# KiCad board HYDRA_VMM3_Adapter_V2.kicad_pcb (continued)
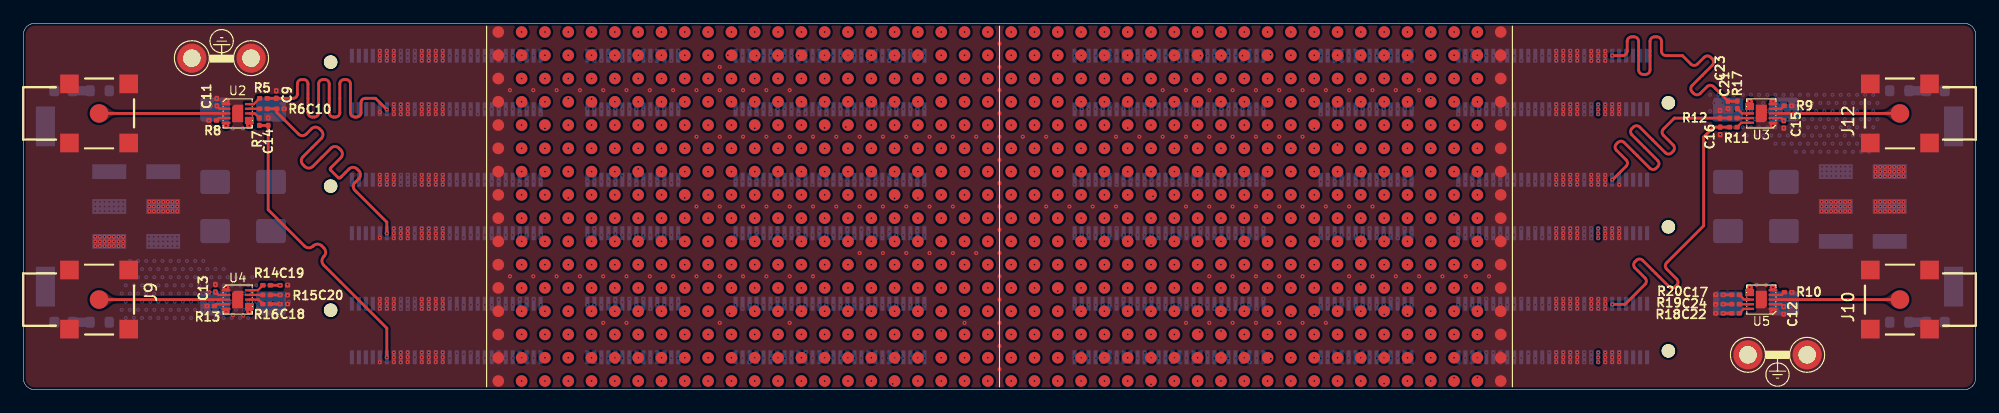
[diagram p0: board, top side]
## Nets (continued)
Col_10-Row_12: J6.B39 U1.156
Col_10-Row_13: J6.B38 U1.157
Col_10-Row_14: J6.A32 U1.158
Col_10-Row_15: J6.A33 U1.159
Col_10-Row_16: J6.A34 U1.160
Col_11-Row_1: J4.B42 U1.161
Col_11-Row_2: J4.B43 U1.162
Col_11-Row_3: J4.B44 U1.163
Col_11-Row_4: J4.A41 U1.164
Col_11-Row_5: J4.A40 U1.165
Col_11-Row_6: J5.B37 U1.166
Col_11-Row_7: J5.B36 U1.167
Col_11-Row_8: J5.B35 U1.168
Col_11-Row_9: J5.A42 U1.169
Col_11-Row_10: J5.A43 U1.170
Col_11-Row_11: J5.A44 U1.171
Col_11-Row_12: J6.B41 U1.172
Col_11-Row_13: J6.B40 U1.173
Col_11-Row_14: J6.A35 U1.174
Col_11-Row_15: J6.A36 U1.175
Col_11-Row_16: J6.A37 U1.176
Col_12-Row_1: J4.B45 U1.177
Col_12-Row_2: J4.B46 U1.178
Col_12-Row_3: J4.B47 U1.179
Col_12-Row_4: J4.A43 U1.180
Col_12-Row_5: J4.A42 U1.181
Col_12-Row_6: J5.B40 U1.182
Col_12-Row_7: J5.B39 U1.183
Col_12-Row_8: J5.B38 U1.184
Col_12-Row_9: J5.A45 U1.185
Col_12-Row_10: J5.A46 U1.186
Col_12-Row_11: J5.A47 U1.187
Col_12-Row_12: J6.B43 U1.188
Col_12-Row_13: J6.B42 U1.189
Col_12-Row_14: J6.A38 U1.190
Col_12-Row_15: J6.A39 U1.191
Col_12-Row_16: J6.A40 U1.192
Col_13-Row_1: J4.B48 U1.193
Col_13-Row_2: J4.B49 U1.194
Col_13-Row_3: J4.B50 U1.195
Col_13-Row_4: J4.A45 U1.196
Col_13-Row_5: J4.A44 U1.197
Col_13-Row_6: J5.B43 U1.198
Col_13-Row_7: J5.B42 U1.199
Col_13-Row_8: J5.B41 U1.200
Col_13-Row_9: J5.A48 U1.201
Col_13-Row_10: J5.A49 U1.202
Col_13-Row_11: J5.A50 U1.203
Col_13-Row_12: J6.B45 U1.204
Col_13-Row_13: J6.B44 U1.205
Col_13-Row_14: J6.A41 U1.206
Col_13-Row_15: J6.A42 U1.207
Col_13-Row_16: J6.A43 U1.208
Col_14-Row_1: J4.B51 U1.209
Col_14-Row_2: J4.B52 U1.210
Col_14-Row_3: J4.B53 U1.211
Col_14-Row_4: J4.A47 U1.212
Col_14-Row_5: J4.A46 U1.213
Col_14-Row_6: J5.B46 U1.214
Col_14-Row_7: J5.B45 U1.215
Col_14-Row_8: J5.B44 U1.216
Col_14-Row_9: J5.A51 U1.217
Col_14-Row_10: J5.A52 U1.218
Col_14-Row_11: J5.A53 U1.219
Col_14-Row_12: J6.B47 U1.220
Col_14-Row_13: J6.B46 U1.221
Col_14-Row_14: J6.A44 U1.222
Col_14-Row_15: J6.A45 U1.223
Col_14-Row_16: J6.A46 U1.224
Col_15-Row_1: J4.B54 U1.225
Col_15-Row_2: J4.B55 U1.226
Col_15-Row_3: J4.B56 U1.227
Col_15-Row_4: J4.A49 U1.228
Col_15-Row_5: J4.A48 U1.229
Col_15-Row_6: J5.B49 U1.230
Col_15-Row_7: J5.B48 U1.231
Col_15-Row_8: J5.B47 U1.232
Col_15-Row_9: J5.A54 U1.233
Col_15-Row_10: J5.A55 U1.234
Col_15-Row_11: J5.A56 U1.235
Col_15-Row_12: J6.B49 U1.236
Col_15-Row_13: J6.B48 U1.237
Col_15-Row_14: J6.A47 U1.238
Col_15-Row_15: J6.A48 U1.239
Col_15-Row_16: J6.A49 U1.240
Col_16-Row_1: J4.B57 U1.241
Col_16-Row_2: J4.B58 U1.242
Col_16-Row_3: J4.B59 U1.243
Col_16-Row_4: J4.A51 U1.244
Col_16-Row_5: J4.A50 U1.245
Col_16-Row_6: J5.B52 U1.246
Col_16-Row_7: J5.B51 U1.247
Col_16-Row_8: J5.B50 U1.248
Col_16-Row_9: J5.A57 U1.249
Col_16-Row_10: J5.A58 U1.250
Col_16-Row_11: J6.B52 U1.251
Col_16-Row_12: J6.B51 U1.252
Col_16-Row_13: J6.B50 U1.253
Col_16-Row_14: J6.A50 U1.254
Col_16-Row_15: J6.A51 U1.255
Col_16-Row_16: J6.A52 U1.256
Col_17-Row_1: J4.B60 U1.257
Col_17-Row_2: J4.B61 U1.258
Col_17-Row_3: J4.B62 U1.259
Col_17-Row_4: J4.A53 U1.260
Col_17-Row_5: J4.A52 U1.261
Col_17-Row_6: J5.B55 U1.262
Col_17-Row_7: J5.B54 U1.263
Col_17-Row_8: J5.B53 U1.264
Col_17-Row_9: J5.A59 U1.265
Col_17-Row_10: J5.A60 U1.266
Col_17-Row_11: J6.B55 U1.267
Col_17-Row_12: J6.B54 U1.268
Col_17-Row_13: J6.B53 U1.269
Col_17-Row_14: J6.A53 U1.270
Col_17-Row_15: J6.A54 U1.271
Col_17-Row_16: J6.A55 U1.272
Col_18-Row_1: J4.B63 U1.273
Col_18-Row_2: J4.B64 U1.274
Col_18-Row_3: J4.B65 U1.275
Col_18-Row_4: J4.A55 U1.276
Col_18-Row_5: J4.A54 U1.277
Col_18-Row_6: J5.B58 U1.278
Col_18-Row_7: J5.B57 U1.279
Col_18-Row_8: J5.B56 U1.280
Col_18-Row_9: J5.A61 U1.281
Col_18-Row_10: J5.A62 U1.282
Col_18-Row_11: J6.B58 U1.283
Col_18-Row_12: J6.B57 U1.284
Col_18-Row_13: J6.B56 U1.285
Col_18-Row_14: J6.A56 U1.286
Col_18-Row_15: J6.A57 U1.287
Col_18-Row_16: J6.A58 U1.288
Col_19-Row_1: J4.B66 U1.291
Col_19-Row_2: J4.B67 U1.290
Col_19-Row_3: J4.B68 U1.289
Col_19-Row_4: J4.A57 U1.292
Col_19-Row_5: J4.A56 U1.293
Col_19-Row_6: J5.B61 U1.294
Col_19-Row_7: J5.B60 U1.295
Col_19-Row_8: J5.B59 U1.296
Col_19-Row_9: J5.A63 U1.297
Col_19-Row_10: J5.A64 U1.298
Col_19-Row_11: J6.B61 U1.299
Col_19-Row_12: J6.B60 U1.300
Col_19-Row_13: J6.B59 U1.301
Col_19-Row_14: J6.A59 U1.302
Col_19-Row_15: J6.A60 U1.303
Col_19-Row_16: J6.A61 U1.304
Col_20-Row_1: J4.B69 U1.305
Col_20-Row_2: J4.B70 U1.306
Col_20-Row_3: J4.A59 U1.307
Col_20-Row_4: J4.A60 U1.308
Col_20-Row_5: J4.A58 U1.309
Col_20-Row_6: J5.B64 U1.310
Col_20-Row_7: J5.B63 U1.311
Col_20-Row_8: J5.B62 U1.312
Col_20-Row_9: J5.A65 U1.313
Col_20-Row_10: J5.A66 U1.314
Col_20-Row_11: J6.B64 U1.315
Col_20-Row_12: J6.B63 U1.316
Col_20-Row_13: J6.B62 U1.317
Col_20-Row_14: J6.A62 U1.318
Col_20-Row_15: J6.A63 U1.319
Col_20-Row_16: J6.A64 U1.320
Col_21-Row_1: J4.A63 U1.321
Col_21-Row_2: J4.A64 U1.322
Col_21-Row_3: J4.A65 U1.323
Col_21-Row_4: J4.A62 U1.324
Col_21-Row_5: J4.A61 U1.325
Col_21-Row_6: J5.B67 U1.326
Col_21-Row_7: J5.B66 U1.327
Col_21-Row_8: J5.B65 U1.328
Col_21-Row_9: J5.A67 U1.329
Col_21-Row_10: J5.A68 U1.330
Col_21-Row_11: J6.B67 U1.331
Col_21-Row_12: J6.B66 U1.332
Col_21-Row_13: J6.B65 U1.333
Col_21-Row_14: J6.A65 U1.334
Col_21-Row_15: J6.A66 U1.335
Col_21-Row_16: J6.A67 U1.336
Col_22-Row_1: J4.A68 U1.337
Col_22-Row_2: J4.A69 U1.338
Col_22-Row_3: J4.A70 U1.339
Col_22-Row_4: J4.A67 U1.340
Col_22-Row_5: J4.A66 U1.341
Col_22-Row_6: J5.B70 U1.342
Col_22-Row_7: J5.B69 U1.343
Col_22-Row_8: J5.B68 U1.344
Col_22-Row_9: J5.A69 U1.345
Col_22-Row_10: J5.A70 U1.346
Col_22-Row_11: J6.B70 U1.347
Col_22-Row_12: J6.B69 U1.348
Col_22-Row_13: J6.B68 U1.349
Col_22-Row_14: J6.A68 U1.350
Col_22-Row_15: J6.A69 U1.351
Col_22-Row_16: J6.A70 U1.352
Col_23-Row_1: J1.B68 U1.353
Col_23-Row_2: J1.B69 U1.354
Col_23-Row_3: J1.B70 U1.355
Col_23-Row_4: J1.B67 U1.356
Col_23-Row_5: J1.B66 U1.357
Col_23-Row_6: J2.A68 U1.358
Col_23-Row_7: J2.A69 U1.359
Col_23-Row_8: J2.A70 U1.360
Col_23-Row_9: J2.B70 U1.361
Col_23-Row_10: J2.B69 U1.362
Col_23-Row_11: J3.A70 U1.363
Col_23-Row_12: J3.A69 U1.364
Col_23-Row_13: J3.A68 U1.365
Col_23-Row_14: J3.B68 U1.366
Col_23-Row_15: J3.B69 U1.367
Col_23-Row_16: J3.B70 U1.368
Col_24-Row_1: J1.B63 U1.369
Col_24-Row_2: J1.B64 U1.370
Col_24-Row_3: J1.B65 U1.371
Col_24-Row_4: J1.B62 U1.372
Col_24-Row_5: J1.B61 U1.373
Col_24-Row_6: J2.A65 U1.374
Col_24-Row_7: J2.A66 U1.375
Col_24-Row_8: J2.A67 U1.376
Col_24-Row_9: J2.B68 U1.377
Col_24-Row_10: J2.B67 U1.378
Col_24-Row_11: J3.A67 U1.379
Col_24-Row_12: J3.A66 U1.380
Col_24-Row_13: J3.A65 U1.381
Col_24-Row_14: J3.B65 U1.382
Col_24-Row_15: J3.B66 U1.383
Col_24-Row_16: J3.B67 U1.384
Col_25-Row_1: J1.A69 U1.385
Col_25-Row_2: J1.A70 U1.386
Col_25-Row_3: J1.B59 U1.387
Col_25-Row_4: J1.B60 U1.388
Col_25-Row_5: J1.B58 U1.389
Col_25-Row_6: J2.A62 U1.390
Col_25-Row_7: J2.A63 U1.391
Col_25-Row_8: J2.A64 U1.392
Col_25-Row_9: J2.B66 U1.393
Col_25-Row_10: J2.B65 U1.394
Col_25-Row_11: J3.A64 U1.395
Col_25-Row_12: J3.A63 U1.396
Col_25-Row_13: J3.A62 U1.397
Col_25-Row_14: J3.B62 U1.398
Col_25-Row_15: J3.B63 U1.399
Col_25-Row_16: J3.B64 U1.400
Col_26-Row_1: J1.A66 U1.401
Col_26-Row_2: J1.A67 U1.402
Col_26-Row_3: J1.A68 U1.403
Col_26-Row_4: J1.B57 U1.404
Col_26-Row_5: J1.B56 U1.405
Col_26-Row_6: J2.A59 U1.406
Col_26-Row_7: J2.A60 U1.407
Col_26-Row_8: J2.A61 U1.408
Col_26-Row_9: J2.B64 U1.409
Col_26-Row_10: J2.B63 U1.410
Col_26-Row_11: J3.A61 U1.411
Col_26-Row_12: J3.A60 U1.412
Col_26-Row_13: J3.A59 U1.413
Col_26-Row_14: J3.B59 U1.414
Col_26-Row_15: J3.B60 U1.415
Col_26-Row_16: J3.B61 U1.416
Col_27-Row_1: J1.A63 U1.417
Col_27-Row_2: J1.A64 U1.418
Col_27-Row_3: J1.A65 U1.419
Col_27-Row_4: J1.B55 U1.420
Col_27-Row_5: J1.B54 U1.421
Col_27-Row_6: J2.A56 U1.422
Col_27-Row_7: J2.A57 U1.423
Col_27-Row_8: J2.A58 U1.424
Col_27-Row_9: J2.B62 U1.425
Col_27-Row_10: J2.B61 U1.426
Col_27-Row_11: J3.A58 U1.427
Col_27-Row_12: J3.A57 U1.428
Col_27-Row_13: J3.A56 U1.429
Col_27-Row_14: J3.B56 U1.430
Col_27-Row_15: J3.B57 U1.431
Col_27-Row_16: J3.B58 U1.432
Col_28-Row_1: J1.A60 U1.433
Col_28-Row_2: J1.A61 U1.434
Col_28-Row_3: J1.A62 U1.435
Col_28-Row_4: J1.B53 U1.436
Col_28-Row_5: J1.B52 U1.437
Col_28-Row_6: J2.A53 U1.438
Col_28-Row_7: J2.A54 U1.439
Col_28-Row_8: J2.A55 U1.440
Col_28-Row_9: J2.B60 U1.441
Col_28-Row_10: J2.B59 U1.442
Col_28-Row_11: J3.A55 U1.443
Col_28-Row_12: J3.A54 U1.444
Col_28-Row_13: J3.A53 U1.445
Col_28-Row_14: J3.B53 U1.446
Col_28-Row_15: J3.B54 U1.447
Col_28-Row_16: J3.B55 U1.448
Col_29-Row_1: J1.A57 U1.449
Col_29-Row_2: J1.A58 U1.450
Col_29-Row_3: J1.A59 U1.451
Col_29-Row_4: J1.B51 U1.452
Col_29-Row_5: J1.B50 U1.453
Col_29-Row_6: J2.A50 U1.454
Col_29-Row_7: J2.A51 U1.455
Col_29-Row_8: J2.A52 U1.456
Col_29-Row_9: J2.B58 U1.457
Col_29-Row_10: J2.B57 U1.458
Col_29-Row_11: J3.A52 U1.459
Col_29-Row_12: J3.A51 U1.460
Col_29-Row_13: J3.A50 U1.461
Col_29-Row_14: J3.B50 U1.462
Col_29-Row_15: J3.B51 U1.463
Col_29-Row_16: J3.B52 U1.464
Col_30-Row_1: J1.A54 U1.465
Col_30-Row_2: J1.A55 U1.466
Col_30-Row_3: J1.A56 U1.467
Col_30-Row_4: J1.B49 U1.468
Col_30-Row_5: J1.B48 U1.469
Col_30-Row_6: J2.A47 U1.470
Col_30-Row_7: J2.A48 U1.471
Col_30-Row_8: J2.A49 U1.472
Col_30-Row_9: J2.B56 U1.473
Col_30-Row_10: J2.B55 U1.474
Col_30-Row_11: J2.B54 U1.475
Col_30-Row_12: J3.A49 U1.476
Col_30-Row_13: J3.A48 U1.477
Col_30-Row_14: J3.B47 U1.478
Col_30-Row_15: J3.B48 U1.479
Col_30-Row_16: J3.B49 U1.480
Col_31-Row_1: J1.A51 U1.481
Col_31-Row_2: J1.A52 U1.482
Col_31-Row_3: J1.A53 U1.483
Col_31-Row_4: J1.B47 U1.484
Col_31-Row_5: J1.B46 U1.485
Col_31-Row_6: J2.A44 U1.486
Col_31-Row_7: J2.A45 U1.487
Col_31-Row_8: J2.A46 U1.488
Col_31-Row_9: J2.B53 U1.489
Col_31-Row_10: J2.B52 U1.490
Col_31-Row_11: J2.B51 U1.491
Col_31-Row_12: J3.A47 U1.492
Col_31-Row_13: J3.A46 U1.493
Col_31-Row_14: J3.B44 U1.494
Col_31-Row_15: J3.B45 U1.495
Col_31-Row_16: J3.B46 U1.496
Col_32-Row_1: J1.A48 U1.497
Col_32-Row_2: J1.A49 U1.498
Col_32-Row_3: J1.A50 U1.499
Col_32-Row_4: J1.B45 U1.500
Col_32-Row_5: J1.B44 U1.501
Col_32-Row_6: J2.A41 U1.502
Col_32-Row_7: J2.A42 U1.503
Col_32-Row_8: J2.A43 U1.504
Col_32-Row_9: J2.B50 U1.505
Col_32-Row_10: J2.B49 U1.506
Col_32-Row_11: J2.B48 U1.507
Col_32-Row_12: J3.A45 U1.508
Col_32-Row_13: J3.A44 U1.509
Col_32-Row_14: J3.B41 U1.510
Col_32-Row_15: J3.B42 U1.511
Col_32-Row_16: J3.B43 U1.512
Col_33-Row_1: J1.A45 U1.513
Col_33-Row_2: J1.A46 U1.514
Col_33-Row_3: J1.A47 U1.515
Col_33-Row_4: J1.B43 U1.516
Col_33-Row_5: J1.B42 U1.517
Col_33-Row_6: J2.A38 U1.518
Col_33-Row_7: J2.A39 U1.519
Col_33-Row_8: J2.A40 U1.520
Col_33-Row_9: J2.B47 U1.521
Col_33-Row_10: J2.B46 U1.522
Col_33-Row_11: J2.B45 U1.523
Col_33-Row_12: J3.A43 U1.524
Col_33-Row_13: J3.A42 U1.525
Col_33-Row_14: J3.B38 U1.526
Col_33-Row_15: J3.B39 U1.527
Col_33-Row_16: J3.B40 U1.528
Col_34-Row_1: J1.A42 U1.529
Col_34-Row_2: J1.A43 U1.530
Col_34-Row_3: J1.A44 U1.531
Col_34-Row_4: J1.B41 U1.532
Col_34-Row_5: J1.B40 U1.533
Col_34-Row_6: J2.A35 U1.534
Col_34-Row_7: J2.A36 U1.535
Col_34-Row_8: J2.A37 U1.536
Col_34-Row_9: J2.B44 U1.537
Col_34-Row_10: J2.B43 U1.538
Col_34-Row_11: J2.B42 U1.539
Col_34-Row_12: J3.A41 U1.540
Col_34-Row_13: J3.A40 U1.541
Col_34-Row_14: J3.B35 U1.542
Col_34-Row_15: J3.B36 U1.543
Col_34-Row_16: J3.B37 U1.544
Col_35-Row_1: J1.A39 U1.545
Col_35-Row_2: J1.A40 U1.546
Col_35-Row_3: J1.A41 U1.547
Col_35-Row_4: J1.B39 U1.548
Col_35-Row_5: J1.B38 U1.549
Col_35-Row_6: J2.A32 U1.550
Col_35-Row_7: J2.A33 U1.551
Col_35-Row_8: J2.A34 U1.552
Col_35-Row_9: J2.B41 U1.553
Col_35-Row_10: J2.B40 U1.554
Col_35-Row_11: J2.B39 U1.555
Col_35-Row_12: J3.A39 U1.556
Col_35-Row_13: J3.A38 U1.557
Col_35-Row_14: J3.B32 U1.558
Col_35-Row_15: J3.B33 U1.559
Col_35-Row_16: J3.B34 U1.560
Col_36-Row_1: J1.A36 U1.561
Col_36-Row_2: J1.A37 U1.562
Col_36-Row_3: J1.A38 U1.563
Col_36-Row_4: J1.B37 U1.564
Col_36-Row_5: J1.B36 U1.565
Col_36-Row_6: J2.A29 U1.566
Col_36-Row_7: J2.A30 U1.567
Col_36-Row_8: J2.A31 U1.568
Col_36-Row_9: J2.B38 U1.569
Col_36-Row_10: J2.B37 U1.570
Col_36-Row_11: J2.B36 U1.571
Col_36-Row_12: J3.A37 U1.572
Col_36-Row_13: J3.A36 U1.573
Col_36-Row_14: J3.B29 U1.574
Col_36-Row_15: J3.B30 U1.575
Col_36-Row_16: J3.B31 U1.576
Col_37-Row_1: J1.A33 U1.577
Col_37-Row_2: J1.A34 U1.578
Col_37-Row_3: J1.A35 U1.579
Col_37-Row_4: J1.B33 U1.580
Col_37-Row_5: J1.B34 U1.581
Col_37-Row_6: J1.B35 U1.582
Col_37-Row_7: J2.A27 U1.583
Col_37-Row_8: J2.A28 U1.584
Col_37-Row_9: J2.B35 U1.585
Col_37-Row_10: J2.B34 U1.586
Col_37-Row_11: J2.B33 U1.587
Col_37-Row_12: J3.A35 U1.588
Col_37-Row_13: J3.A34 U1.589
Col_37-Row_14: J3.B26 U1.590
Col_37-Row_15: J3.B27 U1.591
Col_37-Row_16: J3.B28 U1.592
Col_38-Row_1: J1.A29 U1.593
Col_38-Row_2: J1.A31 U1.594
Col_38-Row_3: J1.A32 U1.595
Col_38-Row_4: J1.B30 U1.596
Col_38-Row_5: J1.B31 U1.597
Col_38-Row_6: J1.B32 U1.598
Col_38-Row_7: J2.A25 U1.599
Col_38-Row_8: J2.A26 U1.600
Col_38-Row_9: J2.B32 U1.601
Col_38-Row_10: J2.B31 U1.602
Col_38-Row_11: J2.B30 U1.603
Col_38-Row_12: J3.A33 U1.604
Col_38-Row_13: J3.A32 U1.605
Col_38-Row_14: J3.B23 U1.606
Col_38-Row_15: J3.B24 U1.607
Col_38-Row_16: J3.B25 U1.608
Col_39-Row_1: J1.A27 U1.609
Col_39-Row_2: J1.A28 U1.610
Col_39-Row_3: J1.A30 U1.611
Col_39-Row_4: J1.B27 U1.612
Col_39-Row_5: J1.B28 U1.613
Col_39-Row_6: J1.B29 U1.614
Col_39-Row_7: J2.A23 U1.615
Col_39-Row_8: J2.A24 U1.616
Col_39-Row_9: J2.B29 U1.617
Col_39-Row_10: J2.B28 U1.618
Col_39-Row_11: J2.B27 U1.619
Col_39-Row_12: J3.A31 U1.620
Col_39-Row_13: J3.A30 U1.621
Col_39-Row_14: J3.B20 U1.622
Col_39-Row_15: J3.B21 U1.623
Col_39-Row_16: J3.B22 U1.624
Col_40-Row_1: J1.A24 U1.625
Col_40-Row_2: J1.A25 U1.626
Col_40-Row_3: J1.A26 U1.627
Col_40-Row_4: J1.B24 U1.628
Col_40-Row_5: J1.B25 U1.629
Col_40-Row_6: J1.B26 U1.630
Col_40-Row_7: J2.A21 U1.631
Col_40-Row_8: J2.A22 U1.632
Col_40-Row_9: J2.B26 U1.633
Col_40-Row_10: J2.B25 U1.634
Col_40-Row_11: J2.B24 U1.635
Col_40-Row_12: J3.A29 U1.636
Col_40-Row_13: J3.A28 U1.637
Col_40-Row_14: J3.B17 U1.638
Col_40-Row_15: J3.B18 U1.639
Col_40-Row_16: J3.B19 U1.640
Col_41-Row_1: J1.A21 U1.641
Col_41-Row_2: J1.A22 U1.642
Col_41-Row_3: J1.A23 U1.643
Col_41-Row_4: J1.B21 U1.644
Col_41-Row_5: J1.B22 U1.645
Col_41-Row_6: J1.B23 U1.646
Col_41-Row_7: J2.A19 U1.647
Col_41-Row_8: J2.A20 U1.648
Col_41-Row_9: J2.B23 U1.649
Col_41-Row_10: J2.B22 U1.650
Col_41-Row_11: J2.B21 U1.651
Col_41-Row_12: J3.A27 U1.652
Col_41-Row_13: J3.A26 U1.653
Col_41-Row_14: J3.A21 U1.654
Col_41-Row_15: J3.B15 U1.655
Col_41-Row_16: J3.B16 U1.656
Col_42-Row_1: J1.A18 U1.657
Col_42-Row_2: J1.A19 U1.658
Col_42-Row_3: J1.A20 U1.659
Col_42-Row_4: J1.B18 U1.660
Col_42-Row_5: J1.B19 U1.661
Col_42-Row_6: J1.B20 U1.662
Col_42-Row_7: J2.A17 U1.663
Col_42-Row_8: J2.A18 U1.664
Col_42-Row_9: J2.B20 U1.665
Col_42-Row_10: J2.B19 U1.666
Col_42-Row_11: J2.B18 U1.667
Col_42-Row_12: J3.A25 U1.668
Col_42-Row_13: J3.A24 U1.669
Col_42-Row_14: J3.A18 U1.670
Col_42-Row_15: J3.A19 U1.671
Col_42-Row_16: J3.A20 U1.672
Col_43-Row_1: J1.A15 U1.673
Col_43-Row_2: J1.A16 U1.674
Col_43-Row_3: J1.A17 U1.675
Col_43-Row_4: J1.B15 U1.676
Col_43-Row_5: J1.B16 U1.677
Col_43-Row_6: J1.B17 U1.678
Col_43-Row_7: J2.A15 U1.679
Col_43-Row_8: J2.A16 U1.680
Col_43-Row_9: J2.B17 U1.681
Col_43-Row_10: J2.B16 U1.682
Col_43-Row_11: J2.B15 U1.683
Col_43-Row_12: J3.A23 U1.684
Col_43-Row_13: J3.A22 U1.685
Col_43-Row_14: J3.A15 U1.686
Col_43-Row_15: J3.A16 U1.687
Col_43-Row_16: J3.A17 U1.688
Heimtime_A: C18.2 C19.2 C20.2 J4.A10 J5.A10 J6.A10 R14.2 R15.2 R16.2
Heimtime_A_In: J9.1 U4.3
Heimtime_B: C17.2 C22.2 C24.2 J1.A10 J2.A10 J3.A10 R18.2 R19.2 R20.2
Heimtime_B_In: J10.1 U5.3
Master_Trigg_A: C9.2 C10.2 C14.2 J4.A6 J5.A6 J6.A6 R5.2 R6.2 R7.2
Master_Trigg_A_In: J8.1 U2.3
Master_Trigg_B: C16.2 C21.2 C23.2 J1.A6 J2.A6 J3.A6 R11.2 R12.2 R17.2
Master_Trigg_B_In: J12.1 U3.3
P1A: C2.1 C5.1 C11.1 C13.1 Input_A1.6 J4.B8 J4.B9 J4.B10 J5.B8 J5.B9 J5.B10 J6.B8 J6.B9 J6.B10 R1.1 U2.2 U2.5 U2.6 U2.7 U4.2 U4.5 U4.6 U4.7
P1B: C3.1 C7.1 C12.1 C15.1 Input_B1.6 J1.B8 J1.B9 J1.B10 J2.B8 J2.B9 J2.B10 J3.B8 J3.B9 J3.B10 R3.1 U3.2 U3.5 U3.6 U3.7 U5.2 U5.5 U5.6 U5.7
P2A: C1.1 C8.1 Input_A1.1 Input_A1.4 J4.A1 J4.A2 J4.A3 J4.A4 J4.B1 J4.B2 J4.B3 J4.B4 J5.A1 J5.A2 J5.A3 J5.A4 J5.B1 J5.B2 J5.B3 J5.B4 J6.A1 J6.A2 J6.A3 J6.A4 J6.B1 J6.B2 J6.B3 J6.B4 R2.1
P2B: C4.1 C6.1 Input_B1.1 Input_B1.4 J1.A1 J1.A2 J1.A3 J1.A4 J1.B1 J1.B2 J1.B3 J1.B4 J2.A1 J2.A2 J2.A3 J2.A4 J2.B1 J2.B2 J2.B3 J2.B4 J3.A1 J3.A2 J3.A3 J3.A4 J3.B1 J3.B2 J3.B3 J3.B4 R4.1
Net-(D1-A): D1.2 R1.2
Net-(D2-A): D2.2 R2.2
Net-(D3-A): D3.2 R3.2
Net-(D4-A): D4.2 R4.2
Net-(U2-E_OSC): R8.2 U2.4
Net-(U2-Out_1): R7.1 U2.8
Net-(U2-Out_2): R6.1 U2.9
Net-(U2-Out_3): R5.1 U2.10
Net-(U3-E_OSC): R9.2 U3.4
Net-(U3-Out_1): R17.1 U3.8
Net-(U3-Out_2): R12.1 U3.9
Net-(U3-Out_3): R11.1 U3.10
Net-(U4-E_OSC): R13.2 U4.4
Net-(U4-Out_1): R16.1 U4.8
Net-(U4-Out_2): R15.1 U4.9
Net-(U4-Out_3): R14.1 U4.10
Net-(U5-E_OSC): R10.2 U5.4
Net-(U5-Out_1): R20.1 U5.8
Net-(U5-Out_2): R19.1 U5.9
Net-(U5-Out_3): R18.1 U5.10

## Via types
v1: diameter 0.35, hole 0.15, Top to In1.Cu, 238 vias
v2: diameter 0.35, hole 0.15, In1.Cu to In5.Cu, 68 vias
v3: diameter 0.35, hole 0.15, In5.Cu to Bottom, 745 vias
v4: diameter 0.35, hole 0.15, Top to In3.Cu, 135 vias
v5: diameter 0.35, hole 0.15, In3.Cu to Bottom, 129 vias
v6: diameter 0.35, hole 0.15, In1.Cu to Bottom, 187 vias
v7: diameter 0.35, hole 0.15, Top to In5.Cu, 311 vias
v8: diameter 0.35, hole 0.15, Top to Bottom, 516 vias
v9: diameter 0.35, hole 0.15, In3.Cu to In5.Cu, 12 vias
v10: diameter 0.35, hole 0.15, In1.Cu to In3.Cu, 10 vias
v11: diameter 0.35, hole 0.15, Top to In6.Cu, 18 vias
v12: diameter 0.35, hole 0.15, Top to In4.Cu, 15 vias
v13: diameter 0.35, hole 0.15, In2.Cu to In4.Cu, 47 vias
v14: diameter 0.35, hole 0.15, In1.Cu to In6.Cu, 1 via

## Routing (per net, layer and track width the routed paths; a pad name or vN(x,y) marks a point on that pad's centre or on a via; arc(x,y) is an arc through that point)
GND:
  vias: v6(6.17,16.15) v6(6.17,15.75) v6(6.17,15.35) v6(6.57,16.15) v6(6.57,15.75) v6(6.57,15.35) v6(6.97,16.15) v6(6.97,15.75) v6(6.97,15.35) v6(7.37,16.15) v6(7.37,15.75) v6(7.37,15.35) v6(7.77,16.15) v6(7.77,15.75) v6(7.77,15.35) v6(8.17,16.15) v6(8.17,15.75) v6(8.17,15.35) v6(8.57,16.15) v6(8.57,15.75) v6(8.57,15.35) v8(6.17,13.15) v8(6.17,12.75) v8(6.17,12.35) v8(6.57,13.15) v8(6.57,12.75) v8(6.57,12.35) v8(6.97,13.15) v8(6.97,12.75) v8(6.97,12.35) v8(7.37,13.15) v8(7.37,12.75) v8(7.37,12.35) v8(7.77,13.15) v8(7.77,12.75) v8(7.77,12.35) v8(8.17,13.15) v8(8.17,12.75) v8(8.17,12.35) v8(8.57,13.15) v8(8.57,12.75) v8(8.57,12.35) v8(10.8,16.15) v8(10.8,15.75) v8(10.8,15.35) v8(11.2,16.15) v8(11.2,15.75) v8(11.2,15.35) v8(11.6,16.15) v8(11.6,15.75) v8(11.6,15.35) v8(12,16.15) v8(12,15.75) v8(12,15.35) v8(12.4,16.15) v8(12.4,15.75) v8(12.4,15.35) v8(12.8,16.15) v8(12.8,15.75) v8(12.8,15.35) v8(13.2,16.15) v8(13.2,15.75) v8(13.2,15.35) v8(30.59,29.13) v8(30.59,28.71) v8(30.59,28.3) v8(30.59,23.87) v8(30.59,18.47) v8(30.59,18.05) v8(30.59,17.64) v8(30.59,13.08) v8(30.59,7.8) v8(30.59,7.38) v8(30.59,6.97) v8(30.59,2.37) v8(31.19,29.13) v8(31.19,28.71) v8(31.19,28.3) v8(31.19,18.47) v8(31.19,18.05) v8(31.19,17.64) v8(31.19,7.8) v8(31.19,7.38) v8(31.19,6.97) v8(31.78,29.13) v8(31.78,28.71) v8(31.78,28.3) v8(31.78,24.53) v8(31.78,24.11) v8(31.78,23.7) v8(31.78,18.47) v8(31.78,18.05) v8(31.78,17.64) v8(31.78,13.86) v8(31.78,13.46) v8(31.78,13.03) v8(31.78,7.8) v8(31.78,7.38) v8(31.78,6.97) v8(31.78,3.19) v8(31.78,2.79) v8(31.78,2.38) v8(32.38,24.52) v8(32.38,24.12) v8(32.38,23.69) v8(32.38,13.86) v8(32.38,13.46) v8(32.38,13.03) v8(32.38,3.19) v8(32.38,2.79) v8(32.38,2.36) v8(32.98,13.85) v8(32.98,13.45) v8(32.98,13.02) v8(32.98,3.21) v8(32.98,2.81) v8(32.98,2.38) v8(32.99,24.53) v8(32.99,24.13) v8(32.99,23.7) v8(34.19,29.12) v8(34.19,28.7) v8(34.19,28.29) v8(34.19,24.53) v8(34.19,24.11) v8(34.19,23.7) v8(34.19,18.46) v8(34.19,18.04) v8(34.19,17.63) v8(34.19,13.86) v8(34.19,13.44) v8(34.19,13.03) v8(34.19,7.79) v8(34.19,7.37) v8(34.19,6.96) v8(34.19,3.21) v8(34.19,2.79) v8(34.19,2.38) v8(34.78,29.12) v8(34.78,28.7) v8(34.78,28.29) v8(34.78,24.53) v8(34.78,24.11) v8(34.78,23.7) v8(34.78,18.46) v8(34.78,18.04) v8(34.78,17.63) v8(34.78,13.86) v8(34.78,13.44) v8(34.78,13.03) v8(34.78,7.79) v8(34.78,7.37) v8(34.78,6.96) v8(34.78,3.21) v8(34.78,2.79) v8(34.78,2.38) v8(35.39,29.13) v8(35.39,28.71) v8(35.39,28.3) v8(35.39,24.53) v8(35.39,24.11) v8(35.39,23.7) v8(35.39,18.47) v8(35.39,18.05) v8(35.39,17.64) v8(35.39,13.86) v8(35.39,13.44) v8(35.39,13.03) v8(35.39,7.8) v8(35.39,7.38) v8(35.39,6.97) v8(35.39,3.21) v8(35.39,2.79) v8(35.39,2.38) v8(35.98,29.13) v8(35.98,28.71) v8(35.98,28.3) v8(35.98,24.53) v8(35.98,24.11) v8(35.98,23.7) v8(35.98,18.47) v8(35.98,18.05) v8(35.98,17.64) v8(35.98,13.86) v8(35.98,13.44) v8(35.98,13.03) v8(35.98,7.8) v8(35.98,7.38) v8(35.98,6.97) v8(35.98,3.21) v8(35.98,2.79) v8(35.98,2.38) v8(41.75,25.75) v8(41.75,9.75) v8(43.75,25.75) v8(43.75,9.75) v8(45.75,25.75) v8(45.75,9.75) v8(47.75,25.75) v8(47.75,9.75) v8(49.75,25.75) v8(49.75,9.75) v8(49.75,5.75) v8(51.75,25.75) v8(51.75,9.75) v8(51.75,5.75) v8(53.75,25.75) v8(53.75,9.75) v8(55.75,25.75) v8(55.75,9.75) v8(57.75,25.75) v8(57.75,21.75) v8(57.75,15.75) v8(57.75,9.75) v8(59.75,27.75) v8(59.75,25.75) v8(59.75,21.75) v8(59.75,15.75) v8(59.75,9.75) v8(59.75,5.75) v8(61.75,25.75) v8(61.75,21.75) v8(61.75,15.75) v8(61.75,9.75) v8(63.75,25.75) v8(63.75,21.75) v8(63.75,15.75) v8(63.75,9.75) v8(65.75,25.75) v8(65.75,21.75) v8(65.75,15.75) v8(65.75,9.75) v8(65.75,5.75) v8(67.75,21.75) v8(67.75,15.75) v8(67.75,9.75) v8(69.75,21.75) v8(69.75,15.75) v8(71.75,21.75) v8(71.75,15.75) v8(71.75,11.75) v8(73.75,21.75) v8(73.75,15.75) v8(73.75,11.75) v8(75.75,21.75) v8(75.75,15.75) v8(75.75,11.75) v8(77.75,21.75) v8(77.75,15.75) v8(77.75,11.75) v8(79.75,21.75) v8(79.75,15.75) v8(79.75,11.75) v8(80.75,5.75) v8(81.75,21.75) v8(81.75,11.75) v8(83.75,29.75) v8(83.75,27.75) v8(83.75,25.75) v8(83.75,23.75) v8(83.75,21.75) v8(83.75,19.75) v8(83.75,17.75) v8(83.75,15.75) v8(83.75,13.75) v8(83.75,11.75) v8(83.75,9.75) v8(83.75,7.75) v8(83.75,5.75) v8(83.75,3.75) v8(83.75,1.75) v8(85.75,21.75) v8(87.75,21.75) v8(87.75,15.75) v8(89.75,15.75) v8(91.75,15.75) v8(93.75,21.75) v8(93.75,15.75) v8(95.75,21.75) v8(97.75,25.75) v8(97.75,21.75) v8(99.75,25.75) v8(99.75,21.75) v8(99.75,15.75) v8(99.75,5.75) v8(101.75,25.75) v8(101.75,21.75) v8(101.75,15.75) v8(101.75,9.75) v8(101.75,5.75) v8(103.75,25.75) v8(103.75,21.75) v8(103.75,15.75) v8(103.75,9.75) v8(103.75,5.75) v8(105.75,25.75) v8(105.75,21.75) v8(105.75,15.75) v8(105.75,9.75) v8(105.75,5.75) v8(107.75,25.75) v8(107.75,21.75) v8(107.75,15.75) v8(107.75,9.75) v8(107.75,5.75) v8(109.75,25.75) v8(109.75,21.75) v8(109.75,15.75) v8(109.75,9.75) v8(109.75,5.75) v8(111.75,25.75) v8(111.75,15.75) v8(111.75,5.75) v8(113.75,25.75) v8(113.75,15.75) v8(113.75,9.75) v8(115.75,25.75) v8(115.75,15.75) v8(115.75,9.75) v8(117.75,25.75) v8(117.75,9.75) v8(119.75,25.75) v8(119.75,9.75) v8(121.75,9.75) v8(123.75,9.75) v8(125.75,9.75) v8(131.52,29.13) v8(131.52,28.71) v8(131.52,28.3) v8(131.52,24.53) v8(131.52,24.11) v8(131.52,23.7) v8(131.52,18.47) v8(131.52,18.05) v8(131.52,17.64) v8(131.52,13.87) v8(131.52,13.45) v8(131.52,13.04) v8(131.52,7.81) v8(131.52,7.39) v8(131.52,6.98) v8(131.52,3.21) v8(131.52,2.79) v8(131.52,2.38) v8(132.12,29.13) v8(132.12,28.71) v8(132.12,28.3) v8(132.12,24.53) v8(132.12,24.11) v8(132.12,23.7) v8(132.12,18.47) v8(132.12,18.05) v8(132.12,17.64) v8(132.12,13.87) v8(132.12,13.45) v8(132.12,13.04) v8(132.12,7.81) v8(132.12,7.39) v8(132.12,6.98) v8(132.12,3.21) v8(132.12,2.79) v8(132.12,2.38) v8(132.72,29.13) v8(132.72,28.71) v8(132.72,28.3) v8(132.72,24.53) v8(132.72,24.11) v8(132.72,23.7) v8(132.72,18.47) v8(132.72,18.05) v8(132.72,17.64) v8(132.72,13.87) v8(132.72,13.45) v8(132.72,13.04) v8(132.72,7.81) v8(132.72,7.39) v8(132.72,6.98) v8(132.72,3.21) v8(132.72,2.79) v8(132.72,2.38) v8(133.31,29.13) v8(133.31,28.71) v8(133.31,28.3) v8(133.31,24.53) v8(133.31,24.11) v8(133.31,23.7) v8(133.31,18.47) v8(133.31,18.05) v8(133.31,17.64) v8(133.31,13.87) v8(133.31,13.45) v8(133.31,13.04) v8(133.31,7.81) v8(133.31,7.39) v8(133.31,6.98) v8(133.31,3.21) v8(133.31,2.79) v8(133.31,2.38) v8(134.52,29.11) v8(134.52,28.69) v8(134.52,28.28) v8(134.52,18.47) v8(134.52,18.05) v8(134.52,17.64) v8(134.52,7.8) v8(134.52,7.38) v8(134.52,6.97) v8(135.12,29.11) v8(135.12,28.69) v8(135.12,28.28) v8(135.11,18.46) v8(135.11,18.04) v8(135.11,17.63) v8(135.12,7.8) v8(135.12,7.38) v8(135.12,6.97) v8(135.72,29.11) v8(135.72,28.69) v8(135.72,28.28) v8(135.72,24.52) v8(135.72,24.1) v8(135.72,23.69) v8(135.72,18.46) v8(135.72,18.04) v8(135.72,17.63) v8(135.72,13.86) v8(135.72,13.44) v8(135.72,13.03) v8(135.72,7.8) v8(135.72,7.38) v8(135.72,6.97) v8(135.72,3.2) v8(135.72,2.78) v8(135.72,2.37) v8(136.31,24.53) v8(136.31,24.11) v8(136.31,23.7) v8(136.31,13.87) v8(136.31,13.45) v8(136.31,13.04) v8(136.31,3.21) v8(136.31,2.79) v8(136.31,2.38) v8(136.91,24.53) v8(136.91,24.11) v8(136.91,23.7) v8(136.92,17.62) v8(136.91,13.87) v8(136.91,13.45) v8(136.91,13.04) v8(136.91,3.21) v8(136.91,2.79) v8(136.91,2.38) v8(154.29,16.15) v8(154.29,15.75) v8(154.29,15.35) v8(154.69,16.15) v8(154.69,15.75) v8(154.69,15.35) v8(155.09,16.15) v8(155.09,15.75) v8(155.09,15.35) v8(155.49,16.15) v8(155.49,15.75) v8(155.49,15.35) v8(155.89,16.15) v8(155.89,15.75) v8(155.89,15.35) v8(156.29,16.15) v8(156.29,15.75) v8(156.29,15.35) v8(156.69,16.15) v8(156.69,15.75) v8(156.69,15.35) v8(158.91,19.15) v8(158.91,18.75) v8(158.91,18.35) v8(158.91,16.15) v8(158.91,15.75) v8(158.91,15.35) v8(159.31,19.15) v8(159.31,18.75) v8(159.31,18.35) v8(159.31,16.15) v8(159.31,15.75) v8(159.31,15.35) v8(159.71,19.15) v8(159.71,18.75) v8(159.71,18.35) v8(159.71,16.15) v8(159.71,15.75) v8(159.71,15.35) v8(160.11,19.15) v8(160.11,18.75) v8(160.11,18.35) v8(160.11,16.15) v8(160.11,15.75) v8(160.11,15.35) v8(160.51,19.15) v8(160.51,18.75) v8(160.51,18.35) v8(160.51,16.15) v8(160.51,15.75) v8(160.51,15.35) v8(160.91,19.15) v8(160.91,18.75) v8(160.91,18.35) v8(160.91,16.15) v8(160.91,15.75) v8(160.91,15.35) v8(161.31,19.15) v8(161.31,18.75) v8(161.31,18.35) v8(161.31,16.15) v8(161.31,15.75) v8(161.31,15.35) v10(141.56,4.83) v11(15.93,23.15) v11(16.08,24.39) v11(16.6,25.03) v11(17.39,24.83) v11(17.98,22.46) v11(18.84,22.46) v11(21.01,23.36) v11(21.7,25.69) v11(22.38,24.15) v11(145.2,8.2) v11(145.19,7.3) v11(145.19,6.57) v11(148.7,9.02) v11(149.5,9) v11(150.12,6.71) v11(151.03,6.5) v11(151.63,7.16) v11(151.73,8.38) v12(15.76,7.2) v12(15.96,8.38) v12(16.48,9.04) v12(17.39,8.79) v12(17.99,6.41) v12(18.86,6.37) v12(22.67,9.04) v12(22.67,8.1) v12(22.67,7.37) v12(145.56,23.99) v12(145.58,21.93) v12(146.26,24.16) v12(150.11,22.71) v12(151.04,22.49) v12(151.71,24.41) v13(42.84,4.7) v13(43.89,29.36) v13(45.43,17.67) v13(45.47,13.22) v13(45.55,1.87) v13(45.84,29.38) v13(47.43,1.82) v13(47.6,17.36) v13(47.76,30.78) v13(48.85,1.86) v13(49.59,29.77) v13(49.76,0.9) v13(49.79,30.6) v13(51.21,29.61) v13(51.65,30.65) v13(51.82,2.07) v13(65.23,7.45) v13(69.77,2.62) v13(75.63,25.61) v13(77.9,27.75) v13(78.49,26.26) v13(79.87,29.62) v13(79.83,27.54) v13(81.57,29.91) v13(87.8,29.73) v13(90.12,2.79) v13(95.18,18.98) v13(97.17,18.6) v13(98.45,18.89) v13(99.17,2.66) v13(99.55,4.55) v13(100.11,4.08) v13(100.68,3.58) v13(109.75,4.66) v13(111.67,4.84) v13(113.78,3.89) v13(118.08,17.7) v13(118.69,13.14) v13(123.69,0.86) v13(124.15,1.53) v13(125.7,1.64) v13(126.67,4.39) v13(126.95,3.34) v13(126.96,1.7) v13(127.88,5.61) v13(127.89,2.65) v13(128.65,6.71)
